# KiCad board RP2040-Breadstick Panel.kicad_pcb (continued)
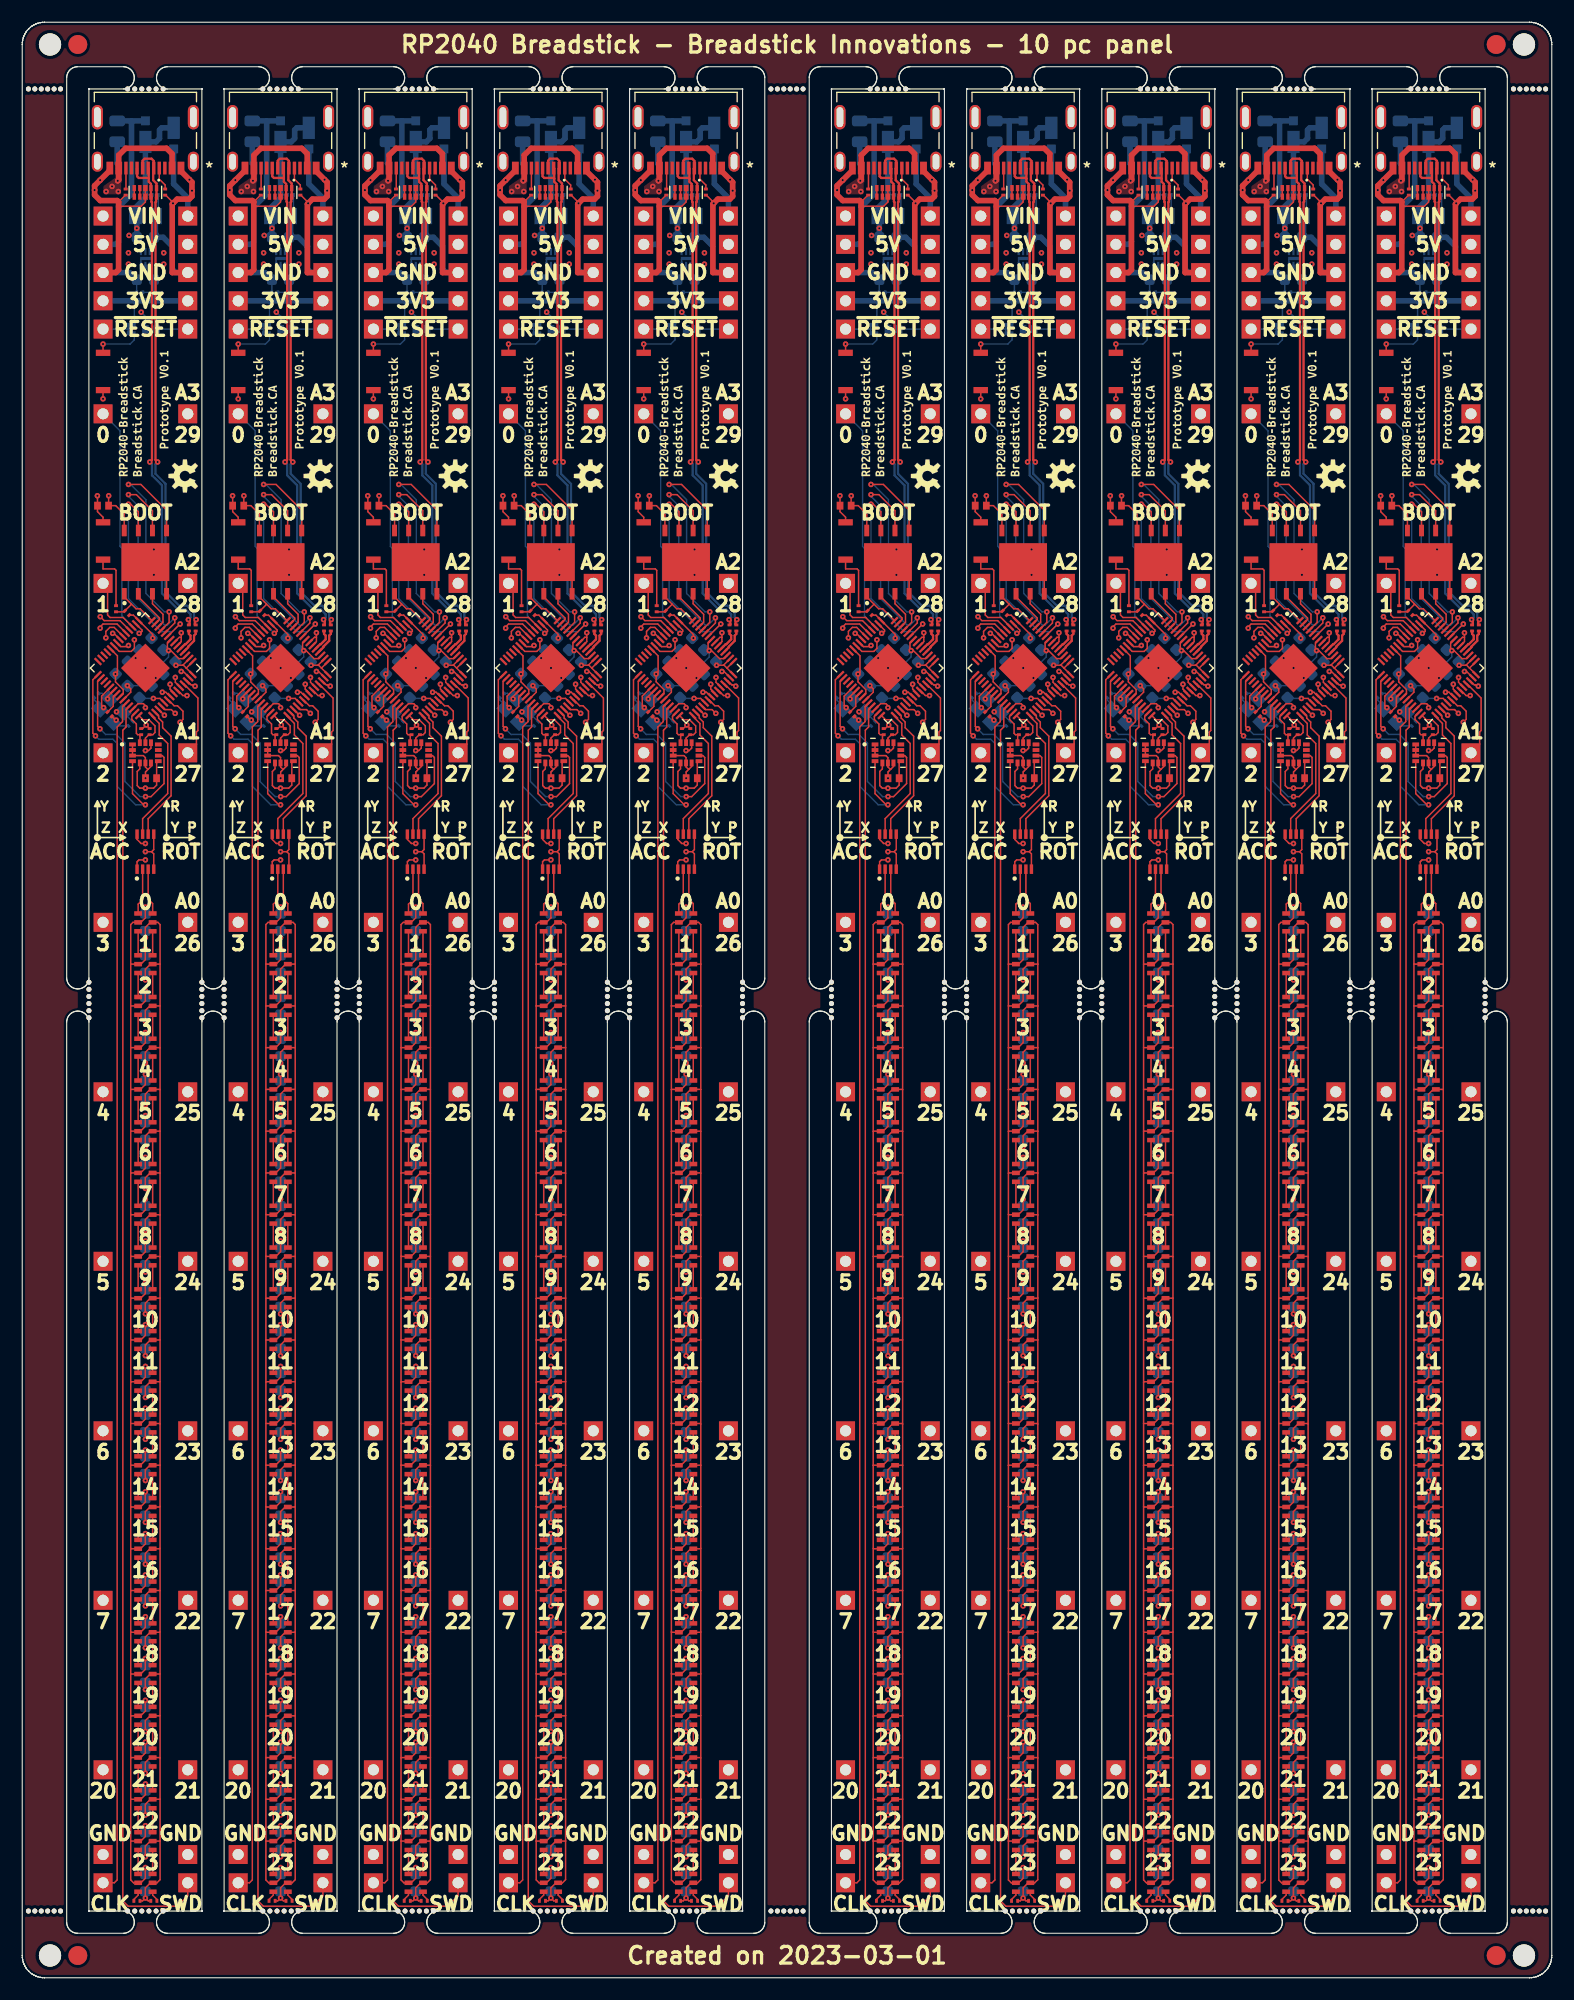
[diagram p0: board, top side]
## Routing (per net, layer and track width the routed paths; a pad name or vN(x,y) marks a point on that pad's centre or on a via; arc(x,y) is an arc through that point) (continued)
Board_5-/RP2040/D0: length 22.3
  L1_SIG.Cu w0.127: v1(77.32,120.88) 77.4,120.88 77.58,121.06 77.58,121.18 U201#7.2
  L8_SIG.Cu w0.127: v1(77.32,120.88) 75.77,122.43 75.77,128.53 75.59,128.71 75.59,139.1 J205.1
Board_5-/RP2040/D1: length 5.7
  L1_SIG.Cu w0.127: J206#10.1 74.48,124.97 74.48,122.54 74.7,122.31 75.88,122.31 U201#7.3
Board_5-/RP2040/D2: length 16.5
  L1_SIG.Cu w0.127: U201#7.4 75.59,122.03 74.17,122.03 v1(73.82,122.38)
  L3_SIG.Cu w0.127: v1(73.82,122.38) 73.18,121.74 73.18,113.26 73.51,112.93 73.94,112.93 74.34,112.53 74.34,111.43 74.07,111.16 J207#6.1
Board_5-/RP2040/D3: length 30.6
  L1_SIG.Cu w0.127: v1(73.81,121.35) 73.81,121.46 74.07,121.72 75.33,121.72 U201#7.5
  L3_SIG.Cu w0.127: v1(73.81,121.35) 73.79,121.33 73.79,114.94 73.61,114.76 73.61,114.03 75.2,112.44 75.2,108.93 74.07,107.8 J208#8.1
Board_5-/RP2040/D4: length 44.8
  L1_SIG.Cu w0.127: U201#7.6 75.07,121.42 74.68,121.42 74.32,121.06 v1(74.32,120.48)
  L3_SIG.Cu w0.127: J209#8.1 74.07,92.33 75.2,93.46 75.2,108.2 75.66,108.66 75.66,112.5 75.82,112.66 75.82,114.39 74.32,115.89 v1(74.32,120.48)
Board_5-/RP2040/D5: length 59
  L1_SIG.Cu w0.127: v1(74.93,120.88) 75.04,120.88 U201#7.7
  L3_SIG.Cu w0.127: v1(74.93,120.88) 74.93,117.89 74.68,117.63 74.68,116.98 76.19,115.47 76.19,112.25 76.12,112.18 76.12,108.31 75.79,107.98 75.79,92.85 75.21,92.27 75.21,78.22 74.07,77.08 J210.1
Board_5-/RP2040/D6: length 73.9
  L1_SIG.Cu w0.127: v1(76.36,119.79) 76.25,119.69 75.67,119.69 U201#7.8
  L3_SIG.Cu w0.127: v1(76.36,119.79) 76,119.79 75.72,119.51 75.72,117.72 76.78,116.66 76.78,114.03 76.59,113.84 76.59,112.07 76.53,112.01 76.53,108.08 76.38,107.93 76.38,92.21 75.86,91.69 75.86,63.31 74.07,61.52 J211#9.1
Board_5-/RP2040/D7: length 91.4
  L1_SIG.Cu w0.127: v1(76.89,120.3) 76.89,119.54 76.61,119.26 75.53,119.26 U201#7.9
  L3_SIG.Cu w0.127: v1(76.89,120.3) 76.89,119.33 76.49,118.93 76.49,118.17 77.55,117.11 77.55,114.79 77.21,114.45 77.21,113.42 76.98,113.19 76.98,107.8 76.86,107.68 76.86,91.44 76.62,91.2 76.62,62.09 75.4,60.87 75.4,44.1 74.07,42.77 J212#10.1
Board_5-/RP2040/D20: length 98.8
  L1_SIG.Cu w0.127: v1(79.59,113.52) 79.57,113.52 U201#7.31
  L3_SIG.Cu w0.127: v1(79.59,113.52) 78.07,113.52 77.39,112.84 77.39,61.15 76.65,60.41 76.65,32.49 74.07,29.91 J204#4.1
Board_5-/RP2040/D21: length 99.2
  L1_SIG.Cu w0.127: U201#7.32 79.63,114.03 80.22,114.03 80.55,113.69 v1(80.56,113.69)
  L3_SIG.Cu w0.127: v1(80.56,113.69) 80.36,113.49 80.36,113.17 80.19,113 79.39,113 78.39,112 78.39,61.15 79.14,60.4 79.14,32.39 81.69,29.84 J203#2.1
Board_5-/RP2040/D22: length 84.5
  L1_SIG.Cu w0.127: v1(81,112.89) 81.26,113.15 81.26,113.88 80.77,114.37 80.47,114.37 79.93,114.91 U201#7.34
  L3_SIG.Cu w0.127: v1(81,112.89) 80.72,112.61 79.65,112.61 78.86,111.82 78.86,107.82 78.94,107.74 78.94,91.48 79.17,91.25 79.17,62.28 80.39,61.06 80.39,44.18 81.63,42.94 81.63,34 J213#10.1
Board_5-/RP2040/D23: length 71.1
  L1_SIG.Cu w0.127: U201#7.35 80.11,115.19 79.71,115.59 v1(79.4,115.59)
  L3_SIG.Cu w0.127: v1(79.4,115.59) 79.72,115.59 81.52,113.79 81.52,112.48 81.28,112.24 79.86,112.24 79.32,111.7 79.32,108.08 79.46,107.94 79.46,92.01 79.91,91.56 79.91,63.31 81.69,61.53 J214#9.1
Board_5-/RP2040/D24: length 56.2
  L1_SIG.Cu w0.127: U201#7.36 80.45,115.52 80.1,115.87 v1(80.1,116.31)
  L3_SIG.Cu w0.127: v1(80.1,116.31) 80.1,115.87 81.89,114.08 81.89,112.19 81.61,111.92 80.06,111.92 79.74,111.6 79.74,108.31 80,108.05 80,92.71 80.56,92.15 80.56,78.12 81.69,76.99 J215#7.1
Board_5-/RP2040/D25: length 39.4
  L1_SIG.Cu w0.127: v1(81.62,115.29) 81.25,115.29 80.78,115.76 U201#7.37
  L3_SIG.Cu w0.127: v1(81.62,115.29) 82.24,114.67 82.24,111.95 81.92,111.63 80.34,111.63 80.15,111.44 80.15,108.69 80.57,108.27 80.57,93.35 81.69,92.23 J202#9.1
Board_5-/RP2040/MCU_QSPI_CSN: length 5.4
  L1_SIG.Cu w0.127: 76.6,123.54 77.04,123.09 77.4,123.09 U201#7.56 ; 76.6,123.54 76.6,123.47 R205#2.2 75.95,122.82 R204#2.2 ; 76.6,123.54 75.98,124.16 U203#9.1
Board_5-/RP2040/MCU_QSPI_SCLK: length 20.6
  L1_SIG.Cu w0.127: v1(80.52,122.28) 80.52,121.82 U201#7.52 ; U203#9.6 78.52,131.91 77.07,133.36 v1(76.36,133.36)
  L8_SIG.Cu w0.127: v1(80.52,122.28) 79.86,121.62 79.61,121.62 77.22,124.01 77.22,132.34 76.36,133.2 v1(76.36,133.36)
Board_5-/RP2040/MCU_QSPI_SD0: length 21.5
  L1_SIG.Cu w0.127: 79.78,130.13 79.78,131.96 77.47,134.27 v1(76.36,134.27) ; v1(80.01,122.81) 80.01,121.87 U201#7.53
  L8_SIG.Cu w0.127: v1(76.36,134.27) 76.56,134.27 77.93,132.9 77.93,124.47 79.58,122.81 v1(80.01,122.81)
Board_5-/RP2040/MCU_QSPI_SD1: length 3.6
  L1_SIG.Cu w0.127: U201#7.55 79.15,122.14 79.15,122.26 77.25,124.16 U203#9.2
Board_5-/RP2040/MCU_QSPI_SD2: length 3.5
  L1_SIG.Cu w0.127: U203#9.3 78.52,123.55 79.46,122.6 79.46,121.89 U201#7.54
Board_5-/RP2040/MCU_QSPI_SD3: length 19.1
  L1_SIG.Cu w0.127: v1(76.36,132.49) 76.56,132.49 77.25,131.81 U203#9.7 ; v1(81,121.72) 80.99,121.72 U201#7.51
  L8_SIG.Cu w0.127: v1(81,121.72) 80.32,121.04 79.33,121.04 76.36,124.01 v1(76.36,132.49)
Board_5-/RP2040/MCU_USB_D+: length 2.1
  L1_SIG.Cu w0.2: U201#7.47 81.44,119.91 81.5,119.91
  L1_SIG.Cu w0.203: 81.5,119.91 81.94,120.35 81.94,120.68 81.79,120.83 R203#6.1
Board_5-/RP2040/MCU_USB_D-: length 2.3
  L1_SIG.Cu w0.2: U201#7.46 81.73,119.63 81.73,119.68
  L1_SIG.Cu w0.203: 81.73,119.68 82.26,120.21 82.26,120.68 82.4,120.83 R202#7.1
Board_5-/RP2040/USB_D+: length 45.2
  L1_SIG.Cu w0.203: 78.18,161.77 78.12,161.83 77.28,161.83 77.13,161.98 J221#9.B6 ; 78.18,161.77 78.18,162.67 J221#9.A6 ; 78.18,161.77 78.18,161.49 78.38,161.29 U202#9.2 U202#9.9 78.42,160.11 78.42,159.7 78.47,159.64 78.47,136.48 v1(78.28,136.29) ; R203#6.2 81.86,121.71 81.86,122 v1(81.75,122.12)
  L8_SIG.Cu w0.203: v1(81.75,122.12) 81.94,122.31 81.94,122.6 81.48,123.05 80.79,123.05 79.37,124.47 79.37,134.19 78.47,135.09 78.47,136.1 v1(78.28,136.29)
Board_5-/RP2040/USB_D-: length 45.9
  L1_SIG.Cu w0.203: v1(82.45,122.12) 82.33,122 82.33,121.71 R202#7.2 ; J221#9.A7 77.63,163.38 77.81,163.56 78.43,163.56 78.63,163.36 J221#9.B7 78.58,162.67 78.58,161.63 78.88,161.33 U202#9.1 U202#9.10 78.84,160.11 78.84,159.7 78.79,159.64 78.79,136.48 v1(78.98,136.29)
  L8_SIG.Cu w0.203: v1(82.45,122.12) 82.26,122.31 82.26,122.73 81.62,123.37 80.93,123.37 79.69,124.61 79.69,134.33 78.79,135.23 78.79,136.1 v1(78.98,136.29)
Board_5-/RP2040/~{RESET}: length 49.9
  L1_SIG.Cu w0.127: U201#7.26 77.23,114.56 77.7,114.56 77.88,114.38 v1(77.88,114.2)
  L3_SIG.Cu w0.127: 77.25,148.24 77.25,121.77 77.93,121.09 77.93,118.52 78.51,117.94 78.51,117.49 78.11,117.09 78.11,114.43 v1(77.88,114.2)
  L3_SIG.Cu w0.5: J201#2.1 J222.1
  L8_SIG.Cu w0.127: C207#9.1 J201#2.1 ; 76.34,148.22 76.31,148.24 J222.1 ; 76.34,148.22 76.34,147.86 ; 76.34,148.22 76.34,148.62
Board_5-GND: length 241.1
  L1_SIG.Cu w0.127: 78.44,101.25 78.63,101.44 IC301#8.5 ; 78.44,101.25 v1(77.88,101.25) ; 78.44,101.25 78.63,101.06 IC301#8.4 ; U202#9.3 U202#9.8 77.88,159.67 77.5,159.29 75.47,159.29 ; 79.2,12.3 79.19,12.29 LED323#2.2 78.33,12.29 77.88,11.84 v1(77.88,10.88) ; 79.2,12.3 79.2,8.82 78.92,8.54 LED324#6.2 78.33,8.54 77.88,8.08 v1(77.88,7.17) ; 79.2,12.3 79.2,16.06 ; v1(77.88,7.17) 77.63,6.91 77.39,6.91 ; v1(77.88,7.17) 78.13,6.91 78.37,6.91 ; 79.2,38.61 79.2,34.8 ; 79.2,38.61 79.16,38.57 LED316#2.2 78.3,38.57 77.88,38.16 v1(77.88,37.19) ; 79.2,38.61 79.2,42.37 ; 79.2,34.8 79.2,31.1 ; 79.2,34.8 79.19,34.82 LED317#3.2 78.3,34.82 77.88,34.4 v1(77.88,33.43) ; 78.13,108.67 78.08,108.67 77.88,108.87 U401.6 77.88,109.71 77.7,109.89 U401.3 U401.2 U401.1 ; 78.13,108.67 77.89,108.42 v1(77.89,107.86) C401.2 ; 78.13,108.67 78.38,108.91 U401.7 ; 79.2,49.79 79.2,46.08 ; 79.2,49.79 79.2,53.6 ; 79.2,49.79 79.15,49.84 LED313#9.2 78.33,49.84 77.88,49.38 v1(77.88,48.42) ; 79.2,46.08 LED314#3.2 78.29,46.08 77.88,45.67 v1(77.88,44.71) ; 79.2,46.08 79.2,42.37 ; v1(80.36,159.55) 80.36,159.63 79.7,160.28 R207#5.2 ; 79.2,27.34 79.2,23.58 ; 79.2,27.34 79.2,31.1 ; 79.2,27.34 79.17,27.31 LED319#7.2 78.31,27.31 77.88,26.88 v1(77.88,25.91) ; 79.2,23.58 79.18,23.55 LED320#2.2 78.31,23.55 77.88,23.12 v1(77.88,22.15) ; 79.2,23.58 79.2,19.77 ; 79.78,124.44 79.78,127.29 v1(78.64,128.43) ; 79.2,16.06 79.19,16.04 LED322#5.2 78.32,16.04 77.88,15.6 v1(77.88,14.64) ; 79.2,16.06 79.2,19.77 ; v1(78.64,126.14) 78.64,126.52 U203#9.9 ; v1(77.88,89.72) 77.88,90.68 78.34,91.14 LED302#8.2 79.2,91.14 ; v1(77.88,78.49) 77.88,79.46 78.3,79.88 LED305#2.2 79.19,79.88 79.2,79.86 ; v1(77.88,59.7) 77.88,60.66 78.32,61.1 LED310#6.2 79.18,61.1 79.2,61.12 ; 79.2,53.6 79.19,53.59 LED312#3.2 78.33,53.59 77.88,53.14 v1(77.88,52.18) ; 79.2,53.6 79.2,57.36 ; 79.2,87.38 79.2,83.62 ; 79.2,87.38 79.2,91.14 ; 79.2,87.38 79.2,87.39 LED303#3.2 78.29,87.39 77.88,86.98 v1(77.88,86.01) ; 79.2,83.62 79.19,83.63 LED304.2 78.29,83.63 77.88,83.22 v1(77.88,82.25) ; 79.2,83.62 79.2,79.86 ; 79.2,91.14 79.2,94.7 79,94.9 LED301#9.2 78.33,94.9 77.88,94.44 v1(77.88,93.53) ; 79.2,76.1 79.18,76.12 LED306#4.2 78.3,76.12 77.88,75.7 v1(77.88,74.73) ; 79.2,76.1 79.2,79.86 ; 79.2,76.1 79.2,72.34 ; 79.2,64.83 79.2,61.12 ; 79.2,64.83 79.17,64.86 LED309#3.2 78.32,64.86 77.88,64.42 v1(77.88,63.45) ; 79.2,64.83 79.2,68.59 ; 79.2,61.12 79.2,57.36 ; 79.2,68.59 79.17,68.61 LED308#6.2 78.31,68.61 77.88,68.18 v1(77.88,67.21) ; 79.2,68.59 79.2,72.34 ; 79.2,19.77 79.17,19.8 LED321.2 78.32,19.8 77.88,19.36 v1(77.88,18.4) ; 79.2,31.1 79.17,31.06 LED318#4.2 78.31,31.06 77.88,30.64 v1(77.88,29.67) ; 79.2,42.37 79.16,42.33 LED315#8.2 78.29,42.33 77.88,41.92 v1(77.88,40.95) ; v1(74.12,114.2) 73.94,114.38 73.94,115.24 U201#7.19 ; v1(77.88,70.97) 77.88,71.94 78.31,72.37 LED307#9.2 79.18,72.37 79.2,72.34 ; 79.2,57.36 79.19,57.35 LED311.2 78.33,57.35 77.88,56.9 v1(77.88,55.94) ; R206#8.2 76.08,160.28 75.48,159.68 75.45,159.68 ; v1(73.56,133.25) 73.57,133.25 C216#4.2 73.57,131.82 74.07,131.32 SW201.1 ; SW202#3.1 v1(74.07,141.97)
  L1_SIG.Cu w0.5: J221#9.A1/B12 81.08,162.44 v1(81.84,161.68) 82.07,161.45 v1(82.07,160.69) 82.07,160.18 81.82,159.92 80.74,159.92 v1(80.36,159.55) 80.29,159.48 80.29,153.32 J506#2.1 ; J505#7.1 75.21,153.32 75.47,153.57 75.47,159.67 75.34,159.8 73.82,159.8 73.31,160.31 v1(73.31,160.74) 73.31,161.13 v1(73.81,161.63) 74.68,162.5 J221#9.B1/A12
  L3_SIG.Cu w0.5: J505#7.1 J506#2.1
  L8_SIG.Cu w0.127: v1(77.88,82.25) C306#7.2 ; v1(77.88,22.15) C322#10.2 ; v1(77.88,40.95) C317#9.2 ; U501#5.7 77.55,154.59 77.48,154.52 U501#5.3 ; v1(77.5,149.76) 77.89,149.38 C207#9.2 ; C309#7.2 77.88,71.58 v1(77.88,70.97) ; v1(77.88,86.01) C305#7.2 ; v1(77.88,18.4) C323#3.2 ; C201#5.2 73.29,114.88 73.77,114.41 ; v1(77.88,93.53) 77.88,94.13 ; C501#7.2 79.04,158.66 R501.1 ; v1(77.88,10.88) C325#3.2 ; v1(77.88,67.21) C310#5.2 ; v1(77.88,89.72) C304#9.2 ; v1(77.88,52.18) C314#10.2 ; v1(77.88,78.49) C307#5.2 ; C203#3.2 76.72,112.95 75.89,113.78 Y201#7.2 ; R502#4.1 77.1,152.68 C503#7.2 ; v1(77.88,74.73) 77.88,75.34 C308#3.2 ; v1(77.88,14.64) C324#10.2 ; v1(77.88,63.45) C311.2 ; v1(77.88,44.71) C316.2 ; v1(77.88,29.67) C320#2.2 ; v1(77.88,55.94) C313#3.2 ; v1(77.88,33.43) C319#8.2 ; v1(77.88,37.19) C318.2 ; v1(77.88,7.17) C326#2.2 ; v1(77.88,59.7) C312#10.2 ; v1(77.88,48.42) C315#9.2 ; v1(77.88,25.91) C321.2
  L8_SIG.Cu w0.203: C503#7.2 77.48,153.06 U501#5.3
  L8_SIG.Cu w0.5: C503#7.2 77.09,152.69 76.46,153.32 J505#7.1 ; C501#7.2 78.78,156.62 C502#10.2 79.48,156.5 80.29,155.68 80.29,153.62 80.6,153.32 J506#2.1
  vias: v1(75.28,113.83) v1(77,118.66) v1(77.89,117.77) v1(78.81,116.87)
Board_5-IMU_INT1: length 19.6
  L1_SIG.Cu w0.127: v1(77.88,105.47) 77.72,105.47 76.72,106.47 U401.4 ; v1(73.39,111.66) 73.15,111.9 73.15,116.71 U201#7.15
  L8_SIG.Cu w0.127: v1(73.39,111.66) 73.69,111.36 74.96,111.36 75.36,110.96 75.36,107.11 77,105.47 v1(77.88,105.47)
Board_5-IMU_INT2: length 18.5
  L1_SIG.Cu w0.127: U401.9 79.39,109.89 79.56,109.72 79.56,107.37 78.39,106.2 v1(77.89,106.2) ; U201#7.16 73.58,116.57 73.58,112.51 v1(73.79,112.3)
  L8_SIG.Cu w0.127: v1(77.89,106.2) 77.4,106.2 76.04,107.56 76.04,111.01 75.26,111.79 74.3,111.79 v1(73.79,112.3)
Board_5-IMU_SCL: length 3.9
  L1_SIG.Cu w0.127: U201#7.28 77.66,113.12 78.19,113.12 78.74,112.56 78.74,111.97 78.54,111.77 R210#9.1 78.19,111.77 77.88,111.46 U401.13
Board_5-IMU_SDA: length 3.4
  L1_SIG.Cu w0.127: U201#7.27 76.66,113.43 76.66,113.14 77.07,112.73 77.07,111.89 77.19,111.77 R209#2.1 77.39,111.66 77.39,111.06 U401.14
Board_5-LED_CLK: length 12.2
  L1_SIG.Cu w0.127: IC301#8.7 77.63,104.23 79.89,106.48 79.89,110.98 79.12,111.74 79.12,112.78 78.47,113.44 U201#7.29
Board_5-LED_DATA: length 12.4
  L1_SIG.Cu w0.127: IC301#8.6 78.13,104.22 80.19,106.28 80.19,111.64 79.43,112.4 79.43,112.91 79.07,113.26 79.07,113.45 U201#7.30
Board_5-Net-(C201-Pad1): length 2
  L1_SIG.Cu w0.127: U201#7.20 74.48,115.2 v1(74.48,114.99)
  L8_SIG.Cu w0.127: v1(74.48,114.99) 73.98,115.49 C201#5.1
Board_5-Net-(C203-Pad1): length 2.1
  L1_SIG.Cu w0.127: R201#7.1 75.19,113.08 v1(75.25,113.08)
  L8_SIG.Cu w0.127: C203#3.1 75.25,112.56 Y201#7.3
Board_5-Net-(J221-PadA5): length 2.1
  L1_SIG.Cu w0.127: R207#5.1 79.66,161.19 79.13,161.72 J221#9.A5
Board_5-Net-(J221-PadB5): length 1.9
  L1_SIG.Cu w0.127: J221#9.B5 76.13,160.86 R206#8.1
Board_5-Net-(LED301-Pad1): length 2.2
  L1_SIG.Cu w0.127: LED301#9.1 LED302#8.3
Board_5-Net-(LED301-Pad6): length 2.2
  L1_SIG.Cu w0.127: LED301#9.6 LED302#8.4
Board_5-Net-(LED302-Pad1): length 2.2
  L1_SIG.Cu w0.127: LED302#8.1 LED303#3.3
Board_5-Net-(LED302-Pad6): length 2.2
  L1_SIG.Cu w0.127: LED302#8.6 LED303#3.4
Board_5-Net-(LED303-Pad1): length 2.2
  L1_SIG.Cu w0.127: LED303#3.1 LED304.3
Board_5-Net-(LED303-Pad6): length 2.2
  L1_SIG.Cu w0.127: LED303#3.6 LED304.4
Board_5-Net-(LED304-Pad1): length 2.2
  L1_SIG.Cu w0.127: LED304.1 LED305#2.3
Board_5-Net-(LED304-Pad6): length 2.2
  L1_SIG.Cu w0.127: LED304.6 LED305#2.4
Board_5-Net-(LED305-Pad1): length 2.2
  L1_SIG.Cu w0.127: LED305#2.1 LED306#4.3
Board_5-Net-(LED305-Pad6): length 2.2
  L1_SIG.Cu w0.127: LED305#2.6 LED306#4.4
Board_5-Net-(LED306-Pad1): length 2.2
  L1_SIG.Cu w0.127: LED306#4.1 LED307#9.3
Board_5-Net-(LED306-Pad6): length 2.2
  L1_SIG.Cu w0.127: LED306#4.6 LED307#9.4
Board_5-Net-(LED307-Pad1): length 2.2
  L1_SIG.Cu w0.127: LED307#9.1 LED308#6.3
Board_5-Net-(LED307-Pad6): length 2.2
  L1_SIG.Cu w0.127: LED307#9.6 LED308#6.4
Board_5-Net-(LED308-Pad1): length 2.2
  L1_SIG.Cu w0.127: LED308#6.1 LED309#3.3
Board_5-Net-(LED308-Pad6): length 2.2
  L1_SIG.Cu w0.127: LED308#6.6 LED309#3.4
Board_5-Net-(LED309-Pad1): length 2.2
  L1_SIG.Cu w0.127: LED309#3.1 LED310#6.3
Board_5-Net-(LED309-Pad6): length 2.2
  L1_SIG.Cu w0.127: LED309#3.6 LED310#6.4
Board_5-Net-(LED310-Pad1): length 2.2
  L1_SIG.Cu w0.127: LED310#6.1 LED311.3
Board_5-Net-(LED310-Pad6): length 2.2
  L1_SIG.Cu w0.127: LED310#6.6 LED311.4
Board_5-Net-(LED311-Pad1): length 2.2
  L1_SIG.Cu w0.127: LED311.1 LED312#3.3
Board_5-Net-(LED311-Pad6): length 2.2
  L1_SIG.Cu w0.127: LED311.6 LED312#3.4
Board_5-Net-(LED312-Pad1): length 2.2
  L1_SIG.Cu w0.127: LED312#3.1 LED313#9.3
Board_5-Net-(LED312-Pad6): length 2.2
  L1_SIG.Cu w0.127: LED312#3.6 LED313#9.4
Board_5-Net-(LED313-Pad1): length 2.2
  L1_SIG.Cu w0.127: LED313#9.1 LED314#3.3
Board_5-Net-(LED313-Pad6): length 2.2
  L1_SIG.Cu w0.127: LED313#9.6 LED314#3.4
Board_5-Net-(LED314-Pad1): length 2.2
  L1_SIG.Cu w0.127: LED314#3.1 LED315#8.3
Board_5-Net-(LED314-Pad6): length 2.2
  L1_SIG.Cu w0.127: LED314#3.6 LED315#8.4
Board_5-Net-(LED315-Pad1): length 2.2
  L1_SIG.Cu w0.127: LED315#8.1 LED316#2.3
Board_5-Net-(LED315-Pad6): length 2.2
  L1_SIG.Cu w0.127: LED315#8.6 LED316#2.4
Board_5-Net-(LED316-Pad1): length 2.2
  L1_SIG.Cu w0.127: LED316#2.1 LED317#3.3
Board_5-Net-(LED316-Pad6): length 2.2
  L1_SIG.Cu w0.127: LED316#2.6 LED317#3.4
Board_5-Net-(LED317-Pad1): length 2.2
  L1_SIG.Cu w0.127: LED317#3.1 LED318#4.3
Board_5-Net-(LED317-Pad6): length 2.2
  L1_SIG.Cu w0.127: LED317#3.6 LED318#4.4
Board_5-Net-(LED318-Pad1): length 2.2
  L1_SIG.Cu w0.127: LED318#4.1 LED319#7.3
Board_5-Net-(LED318-Pad6): length 2.2
  L1_SIG.Cu w0.127: LED318#4.6 LED319#7.4
Board_5-Net-(LED319-Pad1): length 2.2
  L1_SIG.Cu w0.127: LED319#7.1 LED320#2.3
Board_5-Net-(LED319-Pad6): length 2.2
  L1_SIG.Cu w0.127: LED319#7.6 LED320#2.4
Board_5-Net-(LED320-Pad1): length 2.2
  L1_SIG.Cu w0.127: LED320#2.1 LED321.3
Board_5-Net-(LED320-Pad6): length 2.2
  L1_SIG.Cu w0.127: LED320#2.6 LED321.4
Board_5-Net-(LED321-Pad1): length 2.2
  L1_SIG.Cu w0.127: LED321.1 LED322#5.3
Board_5-Net-(LED321-Pad6): length 2.2
  L1_SIG.Cu w0.127: LED321.6 LED322#5.4
Board_5-Net-(LED322-Pad1): length 2.2
  L1_SIG.Cu w0.127: LED322#5.1 LED323#2.3
Board_5-Net-(LED322-Pad6): length 2.2
  L1_SIG.Cu w0.127: LED322#5.6 LED323#2.4
Board_5-Net-(LED323-Pad1): length 2.2
  L1_SIG.Cu w0.127: LED323#2.1 LED324#6.3
Board_5-Net-(LED323-Pad6): length 2.2
  L1_SIG.Cu w0.127: LED323#2.6 LED324#6.4
Board_5-Net-(LED324-Pad1): length 1
  L1_SIG.Cu w0.127: R305#3.1 78.92,7.05 78.53,7.43 LED324#6.1
Board_5-Net-(LED324-Pad6): length 1
  L1_SIG.Cu w0.127: LED324#6.6 77.23,7.43 76.84,7.05 R304#2.1
Board_5-Net-(R201-Pad2): length 2
  L1_SIG.Cu w0.127: U201#7.21 74.98,115.15 74.98,114.32 R201#7.2
Board_5-Net-(R204-Pad1): length 5.2
  L1_SIG.Cu w0.127: R204#2.1 75.24,126.55 75.11,126.68 74.07,126.68 SW201.2
Board_5-Net-(R211-Pad1): length 4.3
  L1_SIG.Cu w0.127: SW202#3.2 v1(74.07,146.89)
  L8_SIG.Cu w0.127: R211#2.1 76.89,147.27 76.51,146.89 v1(74.07,146.89)
Board_5-Net-(U202-Pad4): length 0.8
  L1_SIG.Cu w0.127: U202#9.4 U202#9.7
Board_5-Net-(U202-Pad5): length 0.8
  L1_SIG.Cu w0.127: U202#9.5 U202#9.6
Board_5-SWCLK: length 107.5
  L1_SIG.Cu w0.127: U201#7.24 75.82,114.29 75.82,112.95 75.34,112.46 75.34,8.79 75.09,8.54 J223#6.1
Board_5-SWD: length 115.3
  L1_SIG.Cu w0.127: J224#5.1 81.69,7.37 80.75,6.43 76.33,6.43 75.85,6.91 75.85,112.17 76.14,112.46 76.14,114.04 U201#7.25
Board_5-VBUS: length 12.5
  L1_SIG.Cu w0.5: J221#9.A4/B9 80.28,164 79.78,164.5 76.1,164.5 75.48,163.87 J221#9.B4/A9 75.48,161.66 v1(75.39,161.58)
  L8_SIG.Cu w0.5: v1(75.39,161.58) 75.47,161.65 75.47,163 75.34,163.12 F501#3.1
  vias: v1(74.35,160.61) v1(74.88,161.07) v1(75.44,160.61)
Board_5-VHI: length 174.3
  L1_SIG.Cu w0.127: 76.56,23.53 76.59,23.55 LED320#2.5 77.45,23.55 77.88,23.98 v1(77.88,24.95) ; 76.56,23.53 76.56,27.34 ; 76.56,23.53 76.56,19.77 ; v1(77.88,39.93) 77.88,39.02 77.43,38.57 LED316#2.5 76.6,38.57 76.56,38.61 ; v1(77.88,84.99) 77.88,84.08 77.43,83.63 LED304.5 76.57,83.63 76.56,83.62 ; 76.56,79.86 76.57,79.88 LED305#2.5 77.44,79.88 77.88,80.32 v1(77.88,81.23) ; 76.56,79.86 76.56,83.62 ; 76.56,79.86 76.56,76.1 ; 76.56,31.1 76.56,27.34 ; 76.56,31.1 76.59,31.06 LED318#4.5 77.44,31.06 77.88,31.5 v1(77.88,32.47) ; 76.56,31.1 76.56,34.8 ; 76.56,27.34 76.59,27.31 LED319#7.5 77.45,27.31 77.88,27.74 v1(77.88,28.71) ; v1(77.88,43.69) 77.88,42.78 77.43,42.33 LED315#8.5 76.6,42.33 76.56,42.37 ; 76.56,19.77 76.56,16.06 ; 76.56,19.77 76.59,19.8 LED321.5 77.46,19.8 77.88,20.22 v1(77.88,21.19) ; 76.56,16.06 76.57,16.04 LED322#5.5 77.46,16.04 77.88,16.46 v1(77.88,17.43) ; 76.56,16.06 76.56,12.3 ; 76.56,38.61 76.56,42.37 ; 76.56,38.61 76.56,34.8 ; 76.56,83.62 76.56,87.38 ; v1(77.88,62.49) 77.88,61.52 77.46,61.1 LED310#6.5 76.59,61.1 76.56,61.07 ; 76.56,91.14 76.56,87.38 ; 76.56,91.14 76.56,94.7 76.76,94.9 LED301#9.5 77.47,94.9 77.88,95.31 v1(77.88,96.27) ; 76.56,91.14 LED302#8.5 77.47,91.14 77.88,91.55 v1(77.88,92.51) ; 76.56,87.38 76.56,87.39 LED303#3.5 77.43,87.39 77.88,87.84 v1(77.88,88.75) ; 76.56,61.07 76.56,57.36 ; 76.56,61.07 76.56,64.88 ; 76.56,57.36 76.56,53.55 ; 76.56,57.36 76.57,57.35 LED311.5 77.46,57.35 77.88,57.77 v1(77.88,58.73) ; 76.56,68.64 76.58,68.61 LED308#6.5 77.45,68.61 77.88,69.04 v1(77.88,70.01) ; 76.56,68.64 76.56,72.34 ; 76.56,68.64 76.56,64.88 ; 76.56,12.3 76.56,8.79 76.82,8.54 LED324#6.5 77.47,8.54 77.88,8.95 v1(77.88,9.91) ; 76.56,12.3 76.57,12.29 LED323#2.5 77.46,12.29 77.88,12.71 v1(77.88,13.67) ; v1(77.88,100.51) 77.3,100.51 77.13,100.35 IC301#8.1 ; 76.56,53.55 76.6,53.59 LED312#3.5 77.47,53.59 77.88,54.01 v1(77.88,54.97) ; 76.56,53.55 76.56,49.84 ; 76.56,42.37 76.56,46.08 ; v1(77.88,66.25) 77.88,65.28 77.45,64.86 LED309#3.5 76.58,64.86 76.56,64.88 ; 76.56,46.08 LED314#3.5 77.42,46.08 77.88,46.54 v1(77.88,47.45) ; 76.56,46.08 76.56,49.84 ; v1(77.88,73.77) 77.88,72.8 77.44,72.37 LED307#9.5 76.58,72.37 76.56,72.34 ; 76.56,72.34 76.56,76.1 ; v1(77.88,77.53) 77.88,76.56 77.44,76.12 LED306#4.5 76.58,76.12 76.56,76.1 ; 76.56,49.84 76.56,49.84 LED313#9.5 77.47,49.84 77.88,50.25 v1(77.88,51.21) ; 76.56,34.8 76.57,34.82 LED317#3.5 77.44,34.82 77.88,35.26 v1(77.88,36.23)
  L8_SIG.Cu w0.127: v1(77.88,28.71) C321.1 ; v1(77.88,77.53) 77.88,76.92 C308#3.1 ; v1(77.88,88.75) C305#7.1 ; v1(77.88,54.97) C314#10.1 ; v1(77.88,9.91) C326#2.1 ; v1(77.88,70.01) C310#5.1 ; C309#7.1 77.88,73.16 v1(77.88,73.77) ; v1(77.88,32.47) C320#2.1 ; v1(77.88,62.49) C312#10.1 ; v1(77.88,58.73) C313#3.1 ; v1(77.88,96.27) C303#8.1 ; v1(77.88,84.99) C306#7.1 ; v1(77.88,17.43) C324#10.1 ; v1(77.88,21.19) C323#3.1 ; v1(77.88,51.21) C315#9.1 ; R501.2 78.01,160.31 77.88,160.43 ; v1(77.88,13.67) C325#3.1 ; v1(77.88,66.25) C311.1 ; v1(77.88,36.23) C319#8.1 ; v1(77.88,47.45) C316.1 ; v1(77.88,81.23) C307#5.1 ; v1(77.88,39.93) C318.1 ; v1(77.88,92.51) C304#9.1 ; v1(77.88,24.95) C322#10.1 ; v1(77.88,43.69) C317#9.1
  L8_SIG.Cu w0.5: D501.1 79.34,166.34 79.15,166.15 79.15,165.39 78.84,165.07 D502#7.1 77.88,160.05 76.98,159.15 C501#7.1 77.11,158.28 v1(77.11,157.31) C502#10.1
  vias: v1(76.41,156.66) v1(76.36,155.1) v1(76.36,154.08) v1(79.53,155.1) v1(79.53,154.08)
Board_5-VIN: length 14.2
  L3_SIG.Cu w0.5: J502#4.1 J501#3.1
  L8_SIG.Cu w0.5: J501#3.1 81.69,160.03 80.42,161.3 D501.2
Board_6-3V3_LDO: length 53.3
  L1_SIG.Cu w0.127: U401#5.8 91.05,109.24 C401#10.1 91.05,107.24 90.78,106.97 v1(90.04,106.97) 89.53,106.97 89.3,107.19 89.3,108.46 89.54,108.7 U401#5.5 ; 93.27,120.53 93.09,120.53 U201#6.49 ; 93.27,120.53 93.27,120.14 U201#6.48 ; 93.27,120.53 v1(93.27,120.94) ; U401#5.12 90.54,110.56 90.32,110.34 v1(90.04,110.34) ; R205#6.1 88.96,122.52 U201#6.1 90.7,120.78 v1(90.7,120.45) ; 93.72,117.76 93.46,118.01 93.41,118.01 ; 93.72,117.76 93.72,117.76 U201#6.43 ; 93.72,117.76 U201#6.42 ; U203.8 88.14,131.6 87.37,132.37 C216#3.1 86.73,133.25 v1(86.74,133.25) ; U201#6.10 87.53,118.86 87.53,117.4 v1(87.35,117.23) 87.35,116.52 88.05,115.82 88.05,115.49 U201#6.22 ; R210#2.2 90.42,112.33 v1(90.11,112.64) 89.79,112.32 R209#4.2 ; v1(90.04,101.99) 89.66,101.99 89.29,102.36 IC301.8 ; v1(90.76,115.03) 91.36,115.03 U201#6.33 ; 93.41,118.01 U201#6.44 ; 93.41,118.01 v1(92.78,118.01)
  L3_SIG.Cu w0.5: J508#5.1 J507#9.1
  L8_SIG.Cu w0.127: v1(87.35,117.23) 87.36,117.24 C210#7.1 ; v1(90.76,115.03) 89.56,115.03 C206#6.1 ; 89.02,150.78 89.05,150.76 R208.1 ; C211#7.1 92.78,118.28 v1(92.78,118.01) ; R502#10.2 90.8,151.54
  L8_SIG.Cu w0.15: 90.44,153.33 90.81,152.95 C503#10.1
  L8_SIG.Cu w0.203: U501#4.2 90.04,153.47 90.19,153.33 90.44,153.33 U501#4.1
  L8_SIG.Cu w0.5: 90.7,150.78 J507#9.1 ; 90.7,150.78 J508#5.1 ; 90.7,150.78 90.83,150.91 90.83,152.67
Board_6-+1V1: length 10.2
  L1_SIG.Cu w0.127: U201#6.23 88.72,115.59 88.72,115.88 v1(88.42,116.18) ; U201#6.45 93.44,118.61 93.05,118.61 92.33,119.33 v1(92.12,119.33) 92.02,119.44 92.02,120.02 U201#6.50
  L8_SIG.Cu w0.127: v1(92.12,119.33) 92.12,118.76 89.54,116.18 v1(88.42,116.18)
Board_6-/Addressable RGB LEDs/CLK: length 4.1
  L1_SIG.Cu w0.127: IC301.2 89.79,96.94 89.39,96.54 LED301#8.4
Board_6-/Addressable RGB LEDs/DATA: length 4.1
  L1_SIG.Cu w0.127: IC301.3 90.29,96.99 90.69,96.59 LED301#8.3
Board_6-/RP2040/ADC0: length 26.2
  L1_SIG.Cu w0.127: U201#6.38 92.73,116.48 v1(92.73,116.92)
  L3_SIG.Cu w0.127: J220#3.1 93.85,107.85 92.73,108.97 92.73,111.27 94.32,111.27 94.76,111.71 94.76,115.02 92.86,116.92 v1(92.73,116.92)
Board_6-/RP2040/ADC1: length 7.1
  L1_SIG.Cu w0.127: J219#9.1 94.63,110.92 94.63,112.01 94.76,112.15 94.76,115.07 93.51,116.32 U201#6.39
Board_6-/RP2040/ADC2: length 12.9
  L1_SIG.Cu w0.127: U201#6.40 93.8,116.6 94.15,116.25 94.26,116.25 94.38,116.13 v1(94.51,116.13)
  L3_SIG.Cu w0.127: v1(94.51,116.13) 94.51,118.91 91.64,121.78 91.64,124.11 92.91,125.38 J218.1
Board_6-/RP2040/ADC3: length 26.9
  L1_SIG.Cu w0.127: U201#6.41 93.46,117.46 v1(93.27,117.46)
  L3_SIG.Cu w0.127: v1(93.27,117.46) 93.62,117.81 93.62,118.62 90.62,121.62 90.62,124.45 92.15,125.98 92.15,128.07 93.85,129.77 J217#6.1
Board_6-/RP2040/D0: length 22.3
  L1_SIG.Cu w0.127: v1(89.48,120.88) 89.56,120.88 89.74,121.06 89.74,121.18 U201#6.2
  L8_SIG.Cu w0.127: v1(89.48,120.88) 87.93,122.43 87.93,128.53 87.75,128.71 87.75,139.1 J205#2.1
Board_6-/RP2040/D1: length 5.7
  L1_SIG.Cu w0.127: J206#6.1 86.64,124.97 86.64,122.54 86.87,122.31 88.04,122.31 U201#6.3
Board_6-/RP2040/D2: length 16.5
  L1_SIG.Cu w0.127: U201#6.4 87.75,122.03 86.33,122.03 v1(85.98,122.38)
  L3_SIG.Cu w0.127: v1(85.98,122.38) 85.34,121.74 85.34,113.26 85.67,112.93 86.1,112.93 86.5,112.53 86.5,111.43 86.23,111.16 J207#10.1
Board_6-/RP2040/D3: length 30.6
  L1_SIG.Cu w0.127: v1(85.97,121.35) 85.97,121.46 86.23,121.72 87.49,121.72 U201#6.5